# Allegro board RK3588_Template_LP4XD200P232SD8_41R0X41R0_2133MHz_H1R0_V11_20220216.brd (continued)
## Routing (per net, layer and track width the routed paths; a pad name or vN(x,y) marks a point on that pad's centre or on a via; arc(x,y) is an arc through that point) (continued)
  vias: v1(32.13,14.22) v2(36.64,22.93) v2(36.64,22.16) v2(36.64,21.4) v2(36.64,20.64) v2(36.64,19.88) v2(37.4,22.93) v2(37.4,22.16) v2(37.4,21.4) v2(37.4,20.64) v2(38.16,22.93) v2(38.16,22.16) v2(38.16,21.4) v2(38.16,20.64) v2(38.16,19.88)
VDD_CPU_LIT_S0: length 102.1
  TOP w0.152: U2200.37 86.93,101.23 86.28,101.89 86.01,101.89 85.64,102.26 85.32,102.26 85.07,102.51 84.33,102.51
  TOP w0.203: 84.33,102.51 81.91,102.51 81.66,102.77 C2217.2 R2203.1 v1(79.38,103.18)
  TOP w0.254: v1(53.92,53.23) U1000.V21 ; v1(53.92,53.23) U1000.W22 ; v1(53.91,53.23) U1000.V22 ; v1(53.92,53.23) U1000.W21 ; U1000.V21 v1(54.57,52.58) U1000.U21 v1(53.92,51.93) ; U1000.V21 v1(54.56,53.23) U1000.W21 ; U1000.V21 v1(53.92,52.58) ; U1000.W21 v1(53.92,53.88) 53.59,53.55 U1000.W22 ; U1000.W21 54.24,53.55 v1(54.57,53.88) 54.24,54.2 U1000.Y21 v1(53.92,54.53) U1000.Y22 v1(53.27,53.88) U1000.W22 ; v1(53.92,52.58) U1000.U22 ; v1(53.92,52.58) U1000.V22 ; U1000.U22 v1(53.27,52.58) 53.59,52.9 U1000.V22 ; U1000.U22 53.59,52.25 v1(53.92,51.93) ; U1000.U22 v1(53.27,51.93) C1071.1 U1000.T22 v1(53.92,51.93) ; U1000.W22 53.27,53.23 U1000.V22 ; v1(54.57,51.93) U1000.T21 54.24,51.6 v1(53.92,51.93)
  TOP w0.305: v1(54.57,51.93) 54.24,52.25 U1000.U21 v1(53.92,52.58) ; U1000.Y22 53.59,54.2 v1(53.92,53.88) U1000.Y21
  L4-GND2 w0.089: 54.61,54.48 54.61,54.7 54.26,55.05 54.26,55.29 54.03,55.52 53.79,55.52 53.61,55.7 53.61,55.94 53.38,56.17 53.14,56.17 52.96,56.35 52.96,56.58 52.71,56.82 52.49,56.82 52.31,57 52.31,57.17 52.01,57.47 51.84,57.47 51.66,57.65 51.66,57.89 50.78,58.77 50.54,58.77 50.36,58.95 50.36,59.19 50.13,59.42 49.89,59.42 49.71,59.6 49.71,59.84 49.48,60.07 49.24,60.07 49.06,60.25 49.06,60.49 48.83,60.72 48.59,60.72 48.41,60.9 48.41,61.14 48.18,61.37 47.94,61.37 47.76,61.55 47.76,61.79 47.53,62.02 47.29,62.02 47.11,62.2 47.11,62.44 46.88,62.67 46.64,62.67 46.46,62.85 46.46,63.09 46.23,63.32 45.99,63.32 45.81,63.5 45.81,63.86
  L4-GND2 w0.203: v1(79.38,103.18) 79.12,102.93 77.4,102.93 74.55,100.08 61.21,100.08 45.81,84.67 45.81,83.58 45.96,83.43 45.96,81.69 46.35,81.3 46.35,81 45.81,80.46 45.81,63.86
  vias: v2(70.94,111.62) v2(70.94,110.87) v2(70.94,110.22) v2(71.59,111.62) v2(71.59,110.87) v2(71.59,110.22) v2(72.24,111.62) v2(72.24,110.87) v2(72.24,110.22) v2(72.9,111.62) v2(72.9,110.87) v2(72.9,110.22)
VDD_DDR_S0: length 87.8
  TOP w0.203: C2205.2 77.92,96.14 ; C2205.2 R2200.2 ; C2205.2 78.43,96.07 v1(78.49,96.01) 79.7,96.01 79.97,96.28 82.83,96.28 83.08,96.52 85.93,96.52 87,97.59 87,97.88 87.01,97.89 87.01,97.92 87.18,98.08 U2200.46
  TOP w0.254: 59.76,49.97 U1000.N13 59.44,49.65 v1(59.11,49.98) U1000.P13 59.76,49.99 59.76,49.97 ; 59.76,49.97 U1000.P12 v1(60.41,50.63) 60.09,50.95 U1000.R12 v1(60.41,51.28) 60.09,51.6 U1000.T12 v1(60.41,51.93) U1000.U11 ; U1000.L12 v1(60.41,48.03) U1000.L11 v1(61.06,48.03) ; U1000.L12 59.76,48.68 59.44,48.35 U1000.L13 ; U1000.L12 59.83,48.09 59.7,48.09 U1000.L13 ; U1000.L18 v1(56.51,48.68) U1000.L17 ; U1000.L13 v1(59.11,48.03) U1000.L14 ; v1(61.06,52.58) U1000.U11 ; U1000.U11 v1(60.41,52.58)
  L3-POWER1 w0.089: 62.61,54.23 67.36,54.23 67.64,54.51 67.85,54.51 68.05,54.72
  L3-POWER1 w0.203: 68.05,54.72 68.07,54.74 68.65,54.74 68.85,54.94 68.85,55.65 68.96,55.76 68.96,63.37 72.96,67.37 72.96,70.68 77.22,74.93 77.22,78.23 79.63,80.65 79.63,84.45 81.41,86.23 81.41,95.38 80.77,96.01 v1(78.49,96.01)
  BOTTOM w0.254: 60.75,52.25 60.74,52.25 v1(60.41,51.93) 60.42,51.93 C1223.1 60.74,51.6 v1(60.41,51.28) 60.42,51.28 C1231.1 60.74,50.95 v1(60.41,50.63) 60.42,50.63 C1225.1 ; 60.75,52.25 60.75,52.26 v1(61.06,52.58) 61.21,52.73 C1220.1 C1221.1 60.33,52.67 v1(60.41,52.58) 60.42,52.58 60.75,52.25 ; v1(59.11,49.98) 59.36,49.74 C1228.1 ; v1(56.52,48.68) 56.35,48.51 C1224.1 ; 60.41,48.03 60.59,47.85 C1229.1 60.89,47.85 v1(61.06,48.03)
  BOTTOM w0.381: 59.11,48.07 v1(59.11,48.03) ; 59.11,48.07 59.27,47.92 59.84,47.92 C1226.1 60.27,47.88 60.41,48.03 v1(60.41,48.03) ; 59.11,48.07 58.73,48.07 C1227.1
  vias: v2(76.07,99.19) v2(76.07,98.43) v2(76.07,97.77) v2(76.73,99.19) v2(76.73,98.43) v2(76.73,97.77) v2(77.47,99.19) v2(77.47,98.43) v2(77.47,97.77) v2(78.12,99.19) v2(78.12,98.43) v2(78.12,97.77)
VDD_GPU_S0: length 141.3
  TOP w0.203: v1(73.53,95.83) C2206.2 R2201.1 76,95.83 76.5,95.33 79.52,95.33 80.14,95.95 82.97,95.95 83.16,96.14 85.98,96.14 86.87,97.03 U2200.49
  TOP w0.254: v1(59.11,55.18) U1000.AA13 v1(59.76,55.18) ; v1(59.11,55.18) U1000.AB14 ; v1(59.11,55.18) U1000.AB13 ; v1(59.11,55.18) U1000.AA14 58.79,54.85 v1(58.46,55.18) ; v1(59.11,56.48) U1000.AD13 ; v1(59.11,56.48) U1000.AC13 ; v1(59.11,56.48) U1000.AC14 ; v1(59.11,56.48) U1000.AD14 ; U1000.AD13 v1(59.11,57.13) U1000.AD14 ; U1000.AD13 v1(59.76,56.48) U1000.AC13 ; U1000.AD13 v1(59.76,57.13) ; U1000.AC14 v1(59.11,55.83) ; U1000.AC14 v1(58.46,56.48) ; U1000.AC14 v1(58.46,55.83) ; v1(59.11,55.83) U1000.AC13 ; v1(59.11,55.83) U1000.AB13 ; v1(59.11,55.83) U1000.AB14 ; v1(58.46,56.48) U1000.AC15 v1(58.46,55.83) ; v1(58.46,56.48) U1000.AD14 ; v1(58.46,56.48) 58.14,56.8 U1000.AD15 v1(58.46,57.13) 58.79,56.8 U1000.AD14 ; U1000.AB13 59.76,55.82 59.77,55.82 ; U1000.AB13 v1(59.76,55.18) ; v1(59.76,55.18) U1000.AB12 59.77,55.82 ; v1(59.76,55.18) U1000.AA12 ; v1(58.46,55.18) 58.14,55.5 U1000.AB15 v1(58.46,55.83) ; v1(58.46,55.18) U1000.AA15 ; v1(58.46,55.18) U1000.AB14 ; U1000.AB14 58.79,55.5 v1(58.46,55.83) ; U1000.AC13 59.77,55.82
  L4-GND2 w0.089: 58.17,58.17 58.12,58.21 ; 68.05,59.8 68.05,59.78 66.39,58.12 66.17,58.12 65.92,57.88 65.92,57.65 65.74,57.47 65.52,57.47 65.31,57.26 65.31,57.03 65.09,56.82 64.95,56.82 64.62,56.5 64.62,56.35 64.44,56.17 64.3,56.17 63.97,55.85 63.97,55.7 63.79,55.52 63.65,55.52 63.63,55.5 63.25,55.5
  L4-GND2 w0.203: 68.05,59.8 69.6,61.34 69.6,70.23 74.17,74.8 74.17,79.1 82.68,87.6 82.68,93.73 80.01,96.39 74.1,96.39 v1(73.53,95.83)
  L5-POWER2 w0.089: 58.17,57.53 58.04,57.4 57.98,57.4 57.94,57.44 57.88,57.44 57.85,57.47 57.69,57.47 57.51,57.65 57.51,62.46 57.66,62.61 57.66,64
  L5-POWER2 w0.203: 57.66,64 57.66,71.88 58.29,72.52 67.69,72.52 69.64,74.47 69.64,88.57 71.37,90.29 71.37,90.47 71.61,90.71 71.79,90.71 73.53,92.46 v1(73.53,95.83)
  BOTTOM w0.254: 58.46,55.18 v1(58.46,55.18)
  vias: v2(76.19,94.76) v2(76.19,94.11) v2(76.96,94.76) v2(76.96,94.11) v2(77.62,94.76) v2(77.62,94.11) v2(78.27,94.76) v2(78.27,94.11) v2(78.92,94.76) v2(78.92,94.11) v2(79.58,94.76) v2(79.58,94.11) v2(80.23,94.76) v2(80.23,94.11)
VDD_LOG_S0: length 54.7
  TOP w0.152: U2200.56 89.71,95.17 89.67,95.13 89.67,90.55 88.91,89.79 C2228.2
  TOP w0.203: C2228.2 R2206.1 88.84,88.46 87.76,87.38
  TOP w0.254: U1000.AC17 v1(57.16,56.48) U1000.AD17 ; U1000.AC17 v1(56.52,56.48) ; U1000.AC17 56.84,56.15 56.52,55.83 56.19,56.15 U1000.AC18 ; U1000.AC17 v1(57.16,55.83) ; U1000.AC18 v1(55.87,55.83) 55.54,56.15 U1000.AC19 v1(55.87,56.48) ; U1000.AC18 v1(56.52,56.48) ; U1000.AC18 v1(55.87,56.48) ; v1(56.51,56.48) U1000.AD18 ; v1(56.52,56.48) U1000.AD17 ; v1(56.53,53.22) U1000.V17 v1(57.16,53.23) 57.49,52.9 U1000.V16 ; U1000.AD17 v1(57.16,57.13) ; U1000.AD17 v1(56.52,57.13) U1000.AD18 ; U1000.AD18 v1(55.87,56.48) ; U1000.K19 v1(55.22,48.03) U1000.K20 ; U1000.AD19 55.54,56.8 v1(55.87,56.48)
  L4-GND2 w0.089: 58.04,63.86 58.04,62.74 58.16,62.62 58.16,58.99 58.12,58.96 58.12,58.95 57.94,58.77 57.69,58.77 57.65,58.8 57.53,58.8
  L4-GND2 w0.203: 58.04,63.86 58.04,76.84 64.91,83.71 64.91,84.15 65.13,84.36 65.5,84.36 66.31,85.17 66.31,85.69 66.67,86.06 v1(66.67,86.23)
  BOTTOM w0.089: C1037.1 55.24,48 ; 56.84,53.55 C1041.1
  BOTTOM w0.254: v1(56.53,53.22) 56.53,53.24 56.84,53.55 56.84,53.55 v1(57.16,53.23) ; C1040.1 55.66,47.58 v1(55.22,48.03) 55.22,47.4 C1037.1 ; v1(55.87,55.83) 55.87,55.83
  vias: v2(71.75,88.9) v2(71.75,88.14) v2(71.79,90.3) v2(71.79,89.64) v2(72.44,90.3) v2(72.44,89.64) v2(72.45,88.88) v2(72.45,88.12) v2(73.09,90.3) v2(73.09,89.64) v2(73.1,88.88) v2(73.1,88.12) v2(73.75,90.3) v2(73.75,89.64) v2(73.79,88.9) v2(73.79,88.14)
VDD_NPU_S0: length 73.2
  TOP w0.203: v1(69.27,77.74) 69.27,78.18 U2303.A4
  TOP w0.254: U1000.AC22 v1(53.92,56.48) U1000.AD22 ; U1000.AC22 v1(53.27,55.83) ; U1000.AC22 v1(53.27,56.48) ; U1000.AC22 v1(53.91,55.83) ; U1000.AD23 v1(52.62,57.13) U1000.AE23 ; U1000.AD23 52.94,56.8 v1(53.27,57.13) ; U1000.AD23 v1(53.27,56.48) ; U1000.AE22 v1(53.91,57.78) ; U1000.AE22 v1(53.92,57.13) U1000.AD22 ; U1000.AE22 53.59,57.45 v1(53.27,57.13) ; U1000.AE22 v1(53.27,57.78) U1000.AE23 ; v1(53.92,55.83) U1000.AB22 v1(53.27,55.83) ; v1(53.92,55.83) 54.24,55.5 U1000.AB21 ; U1000.AE23 52.94,57.45 v1(53.27,57.13) ; v1(53.27,56.48) C1073.1 U1000.AC23 v1(53.27,55.83) ; v1(53.27,56.48) U1000.AD22 ; v1(53.27,55.83) U1000.AB23 ; v1(53.27,57.13) U1000.AD22
  L5-POWER2 w0.089: 44.99,57.75 45.85,56.9 46.56,56.9 46.64,56.82 46.89,56.82 46.97,56.9 47.21,56.9 47.29,56.82 47.54,56.82 47.62,56.9 47.86,56.9 47.94,56.82 48.19,56.82 48.27,56.9 48.51,56.9 48.59,56.82 48.84,56.82 48.92,56.9 49.16,56.9 49.24,56.82 49.49,56.82 49.57,56.9 49.81,56.9 49.89,56.82 50.14,56.82 50.22,56.9 50.46,56.9 50.54,56.82 50.79,56.82 50.87,56.9 52.32,56.9 52.45,56.77
  L5-POWER2 w0.203: v1(64.52,82.42) 63.88,83.06 55.5,83.06 54.95,83.6 49.95,83.6 42.8,76.45 42.8,59.94 44.99,57.75
  BOTTOM w0.203: v1(69.27,77.74) 68.15,77.74 R2306.2 C2323.2 67.91,79.53 65.03,82.41 64.53,82.41 v1(64.52,82.42)
  BOTTOM w0.508: C2323.1 R2306.1
  vias: v2(65.09,76.14) v2(65.09,75.37) v2(65.09,74.61) v2(65.09,73.85) v2(65.09,73.09) v2(65.85,76.14) v2(65.85,75.37) v2(65.85,74.61) v2(65.85,73.85) v2(65.85,73.09) v2(66.61,76.14) v2(66.61,75.37) v2(66.61,74.61) v2(66.61,73.85)
VDD_VDENC_S0: length 118
  TOP w0.152: U2200.24 91.81,103.86 92.63,104.68 92.63,104.76
  TOP w0.203: v1(92.39,114.81) C2239.2 R2209.2 92.39,112.59 92.58,112.4 93.19,112.4 93.57,112.01 93.57,109.19 93.09,108.71 92.74,108.71 92.63,108.6 92.63,104.76
  TOP w0.254: U1000.W14 58.79,53.55 58.46,53.23 U1000.V14 ; U1000.W14 v1(59.11,53.23) ; U1000.W14 58.79,53.55 v1(59.11,53.88) U1000.W13 ; v1(59.11,53.23) 59.44,53.55 U1000.W13 ; v1(59.11,53.23) U1000.V13 ; v1(59.11,53.23) U1000.V14 ; v1(59.11,52.58) 59.44,52.9 U1000.V13 ; v1(59.11,52.58) U1000.V14 ; v1(59.11,52.58) U1000.U14 58.79,52.25 v1(59.11,51.93) U1000.T14 58.79,51.6 v1(59.11,51.28) U1000.R14 58.79,50.95 v1(59.11,50.63) ; v1(59.76,53.23) U1000.V12 ; v1(59.76,53.23) U1000.W13 ; v1(59.76,53.23) U1000.V13
  L4-GND2 w0.089: 73.15,54.61 73.15,53.1 72.25,52.2 67.56,52.2 67.44,52.32 65.15,52.32 65.09,52.27 63.54,52.27 61.59,52.27 61.53,52.32 61.34,52.32
  L4-GND2 w0.203: 73.15,54.61 73.15,56.01 77.23,60.09 77.37,60.09 77.58,60.3 77.58,60.44 79.25,62.1 79.25,62.8 79.28,62.84 79.28,63.14 79.25,63.18 79.25,71.88 92.24,84.88 92.24,86.39 92.84,86.98 92.84,90.72 92.66,90.9 92.66,93.71 92.93,93.99 92.93,95.28 92.2,96.01 88.65,96.01 88.14,96.52 88.14,102.15 88.3,102.32 88.3,103.31 88.06,103.56 88.06,112.74 90.12,114.81 v1(92.39,114.81)
  BOTTOM w0.089: 59.57,53.59 59.57,53.43 v1(59.76,53.23)
  BOTTOM w0.254: 59.12,51.93 v1(59.11,51.93) 58.79,52.25 C1048.1 v1(59.11,52.58) ; 59.12,51.93 C1052.1 59.44,51.6 v1(59.11,51.28) 59.12,51.28 C1050.1 59.44,50.95 v1(59.11,50.63) ; 59.12,51.93 59.45,52.25 C1049.1 v1(59.11,52.58) ; v1(59.11,52.58) v1(59.11,53.23) v1(59.11,53.88)
  vias: v2(93.26,116.35) v2(93.26,115.59) v2(93.26,114.94) v2(93.92,116.35) v2(93.92,115.59) v2(93.92,114.94) v2(94.58,116.35) v2(94.58,115.59) v2(94.58,114.94)
VDDA_0V75_S0: length 14.5
  TOP w0.203: C2267.1 97.23,101.12 96.34,100.23 95.69,100.23 95.29,99.83 U2200.11
  TOP w0.254: 62.36,55.17 U1000.AA9 61.71,55.18 61.72,55.18 62.04,55.49 ; 62.36,55.17 v1(62.36,55.17) ; 62.36,55.17 62.36,55.17 62.04,55.49 ; U1000.AD9 v1(62.36,57.13) U1000.AE8 ; U1000.AD9 62.01,56.8 61.72,56.52 61.72,56.47 U1000.AC9 ; U1000.AD9 62.04,56.8 v1(62.36,56.47) 62.04,56.15 U1000.AC9 ; U1000.AC9 61.72,55.83 U1000.AB9 ; U1000.AC9 62.36,55.83 62.36,55.82 ; U1000.AB9 62.04,55.49 ; U1000.AB9 62.36,55.82 ; v1(62.36,55.82) 62.36,55.82 ; U1000.AH10 v1(61.06,59.73)
  TOP w0.381: C2267.1 97.34,101.36 97.72,101.74 99.68,101.74 v2(99.69,101.73)
  TOP w0.508: v2(99.69,101.73) v2(100.35,101.73)
  BOTTOM w0.254: C1738.1 62.37,57.13 v1(62.36,57.13) ; C1408.1 61.28,59.94 v1(61.06,59.73)
  vias: v1(94.62,68.45) v1(95.12,68.83)
VDDA_0V85_S0: length 21.7
  TOP w0.089: 59.44,60.05 U1000.AJ13 ; 58.79,60.05 U1000.AJ14
  TOP w0.203: C2269.1 97.03,99.89 95.8,99.89 95.4,99.5 94.63,99.5 U2200.10
  TOP w0.254: C2269.1 97.59,100.46 99.1,100.46 ; v1(50.02,47.38) U1000.K28 49.69,48.35 U1000.L28 v1(50.01,48.68) U1000.M28 ; v1(59.11,59.73) U1000.AH13 v1(59.76,59.73) 59.44,60.05 v1(59.11,59.73) ; v1(59.11,59.73) 58.79,60.05 v1(58.46,59.73) U1000.AH14 v1(59.11,59.73) ; 36.63,40.32 36.58,40.37 v1(36.07,40.37) v1(34.8,40.37) 34.16,40.37
  TOP w0.381: 99.1,100.46 v2(102.36,100.46) v2(103.12,100.46)
  L3-POWER1 w0.104: v2(102.36,100.46) v2(103.12,100.46)
  L3-POWER1 w0.381: v1(50.02,48.68) v1(50.02,47.38)
  L6-S2 w0.762: v2(102.36,100.46) v2(103.12,100.46)
  BOTTOM w0.254: C1806.1 50.02,47.37 v1(50.02,47.38) 49.94,47.38 49.62,47.7 C1810.1 ; C1818.1 50.02,48.56 v1(50.02,48.68)
  vias: v1(37.72,25.65) v1(37.72,25.02) v1(38.35,25.65) v1(38.35,25.02) v1(69.85,91.19) v1(70.48,91.19)
VDDA_1V2_S0: length 33.7
  TOP w0.152: 90.07,94.25 89.99,94.32 89.99,95.16 90.06,95.23 U2200.57
  TOP w0.254: U1000.AH20 v1(55.22,59.73) U1000.AH19
  TOP w0.381: 90.07,94.25 90.07,92.29 90.06,92.29 90.06,90.39 90.04,90.37 90.04,89.73 C2255.1
  TOP w0.508: 90.04,87 90.7,87.66 90.7,89.48 90.5,89.68 C2255.1
  L3-POWER1 w0.254: v1(55.22,59.73) 55.22,59.8
  L3-POWER1 w0.762: v1(53.85,81.28) v1(53.85,80.65) 53.21,80.65 52.45,79.88 52.45,79.82 52.32,79.69 52.32,77.24 52.8,76.76 55.45,76.76 56.3,75.91 56.3,64.3 56.13,64.14
  L6-S2 w0.381: v1(53.85,81.28) v1(53.85,80.65)
  BOTTOM w0.254: C1611.1 55.34,59.73 v1(55.22,59.73) 55.19,59.73 55.17,59.75 55.08,59.75 54.78,60.05 C1603.1
  vias: v2(89.36,84.45) v2(90.04,84.47)
VDDA_DDR_PLL_S0: length 135.1
  TOP w0.203: U2200.12 95.21,100.18 95.56,100.53 96.21,100.53 96.8,101.11 96.8,101.79 C2264.1
  TOP w0.254: U1000.L15 58.14,48.35 v1(57.81,48.03) ; U1000.N12 v1(59.76,49.33)
  TOP w0.381: v2(99.57,103) 99.51,102.94 97.69,102.94 97.34,102.59 C2264.1
  TOP w0.508: v2(99.57,103) v2(100.33,103)
  L4-GND2 w0.089: 58.67,47.12 58.67,47.15 58.77,47.25 58.77,47.51 58.67,47.61 58.67,47.75 ; 59.44,44.7 59.44,44.96 59.28,45.12 59.09,45.12 ; 58.84,48.99 59.4,48.99
  L4-GND2 w0.762: v2(99.57,103) v2(100.33,103) 100.46,103 102.3,101.15 103.41,101.15 105.28,99.28 105.28,90.81 104.27,89.79 104.27,69.85 98.81,64.39 98.81,55.12 88.27,44.58 88.27,25.02 85.34,22.1 54.36,22.1
  BOTTOM w0.254: v1(57.81,48.03) 57.45,48.4 C1218.1 ; C1215.1 59.76,49.38 v1(59.76,49.33)
VDDQ_DDR: length 51.5
  TOP w0.254: v1(83.08,53.09) 83.06,53.09 U3800.F10 ; U3800.AA8 v1(80.78,43.3) ; v1(67.8,25.95) 67.8,25.98 U3801.B10 ; U3800.B8 81.06,56 80.83,56.24 v1(80.8,56.24) ; U3801.U10 57.67,26.3 v1(57.4,26.04) ; U3800.AA3 76.74,43.25 v1(76.74,43.23) ; v1(78.42,44.63) U3800.W5 78.87,45.09 80.46,45.09 v1(80.64,44.9) 80.7,44.95 U3800.W8 ; U3800.AA10 v1(82.39,43.31) ; U3801.D8 v1(66.45,27.63) ; U3801.W12 v1(56.05,24.43) ; U3800.AA5 v1(79.15,43.65) ; v1(82.42,56.3) 82.44,56.3 U3800.B10 ; U3801.W5 v1(56,30.73) ; U3801.AA10 v1(54.72,26) ; U3800.D1 v1(75.19,55.05) ; v1(54.66,31.57) 54.69,31.57 U3801.AA3 ; U3801.B5 v1(67.75,30.68) ; U3801.D12 v1(66.45,24.43) ; U3801.AA5 v1(55.48,29.95) ; U3801.B8 v1(67.75,27.63) ; v1(76.78,53.04) U3800.F3 ; U3800.W1 v1(75.21,44.63) ; v1(83.04,46.55) U3800.U10 ; U3800.W12 v1(84.66,44.63) ; U3801.B3 v1(67.71,32.25) ; U3801.D1 66.12,33.86 v1(66.42,34.16) ; v1(65.15,31.62) U3801.F3 ; U3801.AA8 v1(55.41,28.29) ; U3801.D5 v1(66.45,30.68) ; v1(56.01,33.91) U3801.W1 ; U3801.U3 57.67,31.98 v1(57.38,32.26) ; U3800.D5 v1(79.06,54.38) ; U3800.B3 v1(76.8,56.35) ; v1(76.78,45.92) 76.81,45.92 U3800.U3 ; U3801.F10 v1(64.51,26.04) ; U3801.W8 v1(56.07,28.26) ; U3800.D8 v1(81.53,55.1) ; U3800.D12 84.65,54.4 v1(84.7,54.4) ; U3800.B5 v1(79.12,55.62)
  BOTTOM w0.254: v1(83.04,46.55) 83.35,46.87 C3838.1 ; v1(75.19,55.05) 75.31,54.93 C3834.1 ; v1(76.8,56.35) 76.8,56.73 C3835.1 ; v1(54.72,26) 54.75,25.98 54.75,25.53 C3870.1 ; v1(56.05,24.43) 55.9,24.28 55.9,24.05 C3876.1 ; v1(66.45,24.43) 66.13,24.43 66.04,24.51 ; R3818.1 C3872.1 67.51,30.44 v1(67.75,30.68) ; v1(75.21,44.63) 74.97,44.87 74.97,44.91 C3839.1 ; C3827.1 82.83,55.89 v1(82.42,56.3) ; v1(67.8,25.95) 67.8,26 67.73,26.07 C3875.1 ; C3881.1 57.45,26.08 v1(57.4,26.04) ; C3884.1 65.28,31.75 v1(65.15,31.62) ; v1(80.78,43.3) 80.89,43.4 C3840.1 ; C3837.1 84.66,54.36 v1(84.7,54.4) ; v1(76.78,45.92) 76.78,45.9 76.58,45.69 76.55,45.69 C3833.1 ; C3880.1 56.26,30.45 56,30.71 v1(56,30.73) ; v1(79.12,55.62) 79.37,55.88 C3842.1 ; R3819.1 67.93,27.81 v1(67.75,27.63) 67.24,28.13 C3869.1 ; C3885.1 54.89,30.2 55.22,30.2 v1(55.48,29.95) 56.2,29.22 C3871.1 56.2,28.39 v1(56.07,28.26) 56.39,27.94 C3879.1 ; C3836.1 81.13,44.95 80.69,44.95 v1(80.64,44.9) ; v1(64.51,26.04) 64.66,25.89 C3874.1 ; v1(66.45,27.63) 65.97,27.63 C3887.1 ; C3878.1 67.71,32.66 v1(67.71,32.25) ; v1(78.42,44.63) 78.35,44.56 C3828.1 78.78,44.02 v1(79.15,43.65) 79.3,43.5 C3825.1 ; v1(54.66,31.57) 54.74,31.65 C3873.1 ; C3841.1 81.56,55.47 81.56,55.12 v1(81.53,55.1) ; C3877.1 55.51,27.69 55.51,28.18 v1(55.41,28.29) ; C3829.1 78.92,54.23 v1(79.06,54.38) 79.15,54.29 C3824.1 ; v1(76.74,43.23) 76.66,43.3 C3831.1 ; v1(84.66,44.63) 83.92,43.88 C3826.1 ; C3886.1 55.66,33.91 v1(56.01,33.91) ; C3882.1 66.82,34.16 v1(66.42,34.16) ; C3832.1 81.79,43.91 v1(82.39,43.31)
  BOTTOM w0.305: R3809.1 R3810.1 80.52,56.52 v1(80.8,56.24) 80.44,55.88 C3830.1 C3842.1
  vias: v1(83.69,34.04) v1(83.69,33.4) v1(84.33,34.04) v1(84.33,33.4) v1(84.96,34.04) v1(84.96,33.4) v1(85.6,34.04) v1(85.6,33.4)
VDDQ_DDR_CK_S0: length 11.2
  TOP w0.254: U1000.M13 v1(59.11,49.33) ; U1000.L10 v1(61.71,48.03)
  L4-GND2 w0.089: 60.72,49.02 60.93,49.02 60.94,49.02 61.19,49.02 61.2,49.02 61.37,49.02 ; 60.72,49.02 60.55,49.02 60.54,49.02 60.29,49.02 60.28,49.02 60.11,49.02 ; 60.72,49.02 60.72,49.61 60.71,49.62 60.72,49.64 61.19,49.64 61.37,49.46 61.37,49.02 ; 60.72,49.02 60.72,48.46 60.81,48.37 ; 60.81,48.37 60.29,48.37 60.11,48.55 60.11,49.02 ; 60.81,48.37 61.19,48.37 61.21,48.39 61.34,48.39 61.34,48.52 61.37,48.55 61.37,49.02 ; 60.11,49.02 60.11,49.75 60.07,49.78
  L4-GND2 w0.254: 61.34,48.39 61.7,48.03 v1(61.71,48.03) ; 60.71,49.62 60.55,49.78 59.57,49.78 v1(59.11,49.33)
  BOTTOM w0.254: C1213.1 58.84,49.6 v1(59.11,49.33) ; v1(61.71,48.03) 62.04,48.35 C1206.1
  vias: v1(79.76,37.59) v1(80.31,37.59)
VDDQ_DDR_CKE_S3: length 13.2
  TOP w0.254: U1000.N8 v1(63.01,49.33) ; U1000.H13 v1(59.11,46.08)
  L6-S2 w0.089: 60.78,47.69 60.14,47.69 60.07,47.62 60.07,47.12 ; 60.78,47.69 60.76,47.71 60.76,47.12 ; 60.78,47.69 61.29,47.69 61.36,47.75 61.37,47.75 ; 60.07,47.12 60.07,46.6 60.07,46.6 60.07,46.48 60.13,46.42 60.74,46.42 ; 60.07,47.12 60.12,47.07 60.71,47.07 ; 61.37,47.12 61.33,47.07 60.71,47.07 ; 61.37,47.12 61.37,46.6 61.19,46.42 60.74,46.42 ; 61.37,47.12 61.37,47.75 ; 60.71,47.07 60.76,47.12 ; 60.76,47.12 60.76,46.43 60.74,46.42 ; 61.37,47.75 61.37,48.35 61.34,48.39 61.21,48.39 61.19,48.37 ; 59.46,47.1 59.46,46.42
  L6-S2 w0.254: 61.34,48.39 62.28,49.33 v1(63.01,49.33)
  BOTTOM w0.254: C1216.1 62.67,49.04 62.73,49.04 v1(63.01,49.33) ; v1(59.11,46.08) 58.93,45.9 C1219.1
  vias: v1(81.25,37.59) v1(81.83,37.59)
VDDQ_DDR_S0: length 36
  TOP w0.102: 93.73,92.08 93.73,95 93.56,95.16 U2200.67
  TOP w0.203: 93.73,92.08 93.73,91.65 94.01,91.36 98.42,91.36 98.62,91.16 C2233.1 R2207.1
  TOP w0.254: v1(61.06,47.38) 60.74,47.7 U1000.K11 v1(60.41,47.38) 60.09,47.7 U1000.K12 v1(59.76,47.38) 59.44,47.7 U1000.K13 v1(59.11,47.38) 58.79,47.7 U1000.K14 v1(58.46,47.38) 58.14,47.7 U1000.K15 ; U1000.M10 v1(61.71,49.33) U1000.N10 61.39,49.65 v1(61.71,49.98) U1000.P10 61.39,50.3 v1(61.71,50.63) U1000.R10 61.39,50.95 v1(61.71,51.28) U1000.T10 61.39,51.6 v1(61.71,51.93)
  L4-GND2 w0.203: v1(91.82,57.26) v1(91.11,57.26)
  BOTTOM w0.089: v1(59.76,47.38) 59.76,47.37 ; C1203.1 57.68,47.05 57.49,46.86 57.49,46.59 57.3,46.4 56.94,46.4 56.39,45.85 56.39,45.59 ; v1(59.11,47.38) 59.11,47.37 ; v1(60.41,47.38) 60.41,47.37 ; v1(58.46,47.38) 58.46,47.37
  BOTTOM w0.254: 61.71,49.33 C1210.1 61.72,49.98 v1(61.71,49.98) 62.04,50.3 C1211.1 61.71,50.63 ; C1212.1 61.45,49.06 v1(61.71,49.33) ; 61.71,51.28 C1202.1 62.04,50.95 v1(61.71,50.63) ; 61.5,47.46 61.15,47.46 v1(61.06,47.38) 60.74,47.05 C1201.1 60.41,47.37 60.41,47.37 C1208.1 59.76,47.37 59.76,47.37 C1205.1 59.11,47.37 59.11,47.37 C1204.1 58.46,47.37 58.46,47.37 ; 61.5,47.46 61.72,47.24 ; 61.5,47.46 C1207.1 61.72,47.33 62.06,46.99 62.16,46.99 R1202.2 R1201.2 ; v1(58.46,47.38) 58.15,47.06 C1203.1 ; v1(61.71,51.28) 62.04,51.6 C1209.1 v1(61.71,51.93) 61.92,52.13 61.95,52.13 C1200.1 62.27,52.79 62.11,52.96 R1200.2
  BOTTOM w0.381: v1(61.71,51.28) 61.71,51.28 ; v1(61.71,49.33) 61.71,49.33 ; v1(61.71,50.63) 61.71,50.63
  vias: v1(80.39,33.66) v1(80.39,33.02) v1(81.03,33.66) v1(81.03,33.02) v1(81.66,33.66) v1(81.66,33.02) v1(82.3,33.66) v1(82.3,33.02) v1(91.11,56.63) v1(91.11,55.99) v1(91.82,56.63) v1(91.82,55.99) v1(92.44,57.26) v1(92.44,56.63) v1(92.44,55.99) v2(99.33,91.44) v2(99.33,90.79) v2(99.33,90.13) v2(99.33,89.48) v2(100.08,91.44) v2(100.08,90.79) v2(100.08,90.13) v2(100.08,89.48) v2(100.73,91.44) v2(100.73,90.79) v2(100.73,90.13) v2(100.73,89.48)
32KOUT_WIFI: length 21.1
  TOP w0.089: 29.08,59.44 v1(29.59,59.44) ; U1000.AE30 v1(48.07,57.78)
  L6-S2 w0.089: v1(48.07,57.78) 47.76,58.09 45.81,58.09 45.03,58.86
  L6-S2 w0.104: 45.03,58.86 43.44,60.45 30.39,60.45 29.59,59.65 v1(29.59,59.44)
BIG/NPU_EN: length 7
  TOP w0.104: U2303.A2 70.08,77.19 69.34,76.45 v1(69.09,76.45) ; v1(41.66,13.34) 41.73,13.4 R2302.2 R2303.1 44.14,13.4 44.17,13.44 44.72,13.44 44.9,13.26 U2300.A2 ; v1(34.14,12.95) 34.52,13.33 34.95,13.33 35.15,13.14 U2301.A2
BOOT_SARADC_IN0: length 29.4
  TOP w0.089: v1(57.81,62.33) U1000.AM16
  L3-POWER1 w0.089: 57.81,63.86 v1(57.81,62.33)
  L3-POWER1 w0.104: 57.81,63.86 57.81,78.83 59.59,80.61 59.65,80.61 62.54,83.5 64.57,83.5 64.75,83.68 65.41,83.68 65.42,83.69 66.8,83.69 67.22,84.11 67.22,84.45 67.61,84.84
BT_REG_ON_H: length 32.6
  TOP w0.089: U1000.AH27 v1(50.02,59.73)
  L3-POWER1 w0.089: 47.01,63.86 47.11,63.76 47.11,63.5 47.29,63.32 47.55,63.32 47.76,63.12 47.76,61.55 47.97,61.34 48.19,61.34 48.39,61.14 48.39,60.83 49.49,59.73 v1(50.02,59.73)
  L3-POWER1 w0.104: 35.02,85.09 37.93,82.18 37.93,80.18 38.2,79.91 46.1,72.01 46.1,64.76 47.01,63.86
BT_WAKE_HOST_H: length 29.2
  TOP w0.089: v1(48.72,49.98) 48.39,50.3 U1000.P30
  L3-POWER1 w0.089: 44.99,50.67 45.34,50.32 48.37,50.32 v1(48.72,49.98)
  L3-POWER1 w0.104: 44.99,50.67 44.71,50.95 41.26,50.95 39.81,52.39 39.47,52.39 39.16,52.71 32.96,52.71 32.95,52.72 32.69,52.72 32.67,52.71 32.26,52.71 30.99,51.44 30.99,49.73 v1(30.91,49.66)
  L6-S2 w0.104: v1(30.91,49.66) 30.91,49.58 30.61,49.28 30.23,49.28 28.83,47.88 25.53,47.88 24.84,48.57 24.84,48.71 v1(25.02,48.9)
CC_INT_L: length 36.2
  TOP w0.089: U1000.AC29 v1(48.72,56.48)
  L3-POWER1 w0.089: 45.03,59.72 46.64,58.12 46.86,58.12 47.07,57.91 47.07,57.68 47.32,57.44 47.54,57.44 47.76,57.23 47.76,57 47.94,56.82 48.38,56.82 v1(48.72,56.48)
  L3-POWER1 w0.104: 45.03,59.72 42.23,62.53 42.23,73.47 36.32,79.38 36.32,81.51 32.74,85.09
CPU_BIG0_VSEL: length 25.1
  TOP w0.089: v1(47.41,51.28) 47.74,50.95 U1000.R31
  TOP w0.104: v1(44.45,13.06) 44.7,13.06 44.9,12.86 U2300.A1
  L6-S2 w0.089: v1(47.41,51.28) 47.11,50.97 46.64,50.97 46.42,51.18 46.42,51.41 46.24,51.59 44.99,51.59
  L6-S2 w0.104: 44.99,51.59 43.19,51.59 42.96,51.82 38.12,51.82 37.66,51.35 30.3,51.35 30.23,51.29 30.23,51.29 28.64,49.69 28.64,49.69 28.41,49.47 28.41,49.47 28.09,49.15 26.67,49.15 25.91,49.91 v1(25.4,49.91)
CPU_BIG1_VSEL: length 24.8
  TOP w0.089: U1000.W28 49.69,53.55 v1(49.37,53.23)
  TOP w0.104: v1(34.8,12.95) 34.92,12.95 35.14,12.74 U2301.A1
  L6-S2 w0.089: v1(49.37,53.23) 49.04,52.9 49.04,52.71 49.04,52.47 49.04,52.47 49.04,52.44 48.85,52.25 48.82,52.25 48.81,52.24 48.47,52.24 47.94,52.24 47.76,52.06 47.76,51.83 47.54,51.61 46.69,51.61 46.68,51.62 46.64,51.62 46.46,51.8 46.46,51.84 46.42,51.87 46.42,52.06 46.03,52.45 44.99,52.45
  L6-S2 w0.104: v1(28.26,49.85) 29.99,51.58 37.56,51.58 38.05,52.07 43.04,52.07 43.42,52.45 44.99,52.45
DDR_CH0_A0_A: length 21.4
  TOP w0.127: v1(76.69,51.83) 76.69,51.84 76.56,51.97 76.48,51.97 U3800.H2 ; U1000.T7 v1(63.66,51.28)
  BOTTOM w0.089: 66.6,50.98 66.57,50.95 63.99,50.95 v1(63.66,51.28)
  BOTTOM w0.127: v1(76.69,51.83) 76.51,52.01 73.88,52.01 73.41,51.54 72.42,51.54 72.26,51.69 72.26,52.32 73.28,53.34 73.28,54.1 73.03,54.36 72.47,54.36 72.36,54.24 72.36,53.71 72.25,53.59 72.09,53.59 71.98,53.71 71.98,54.24 71.87,54.36 71.5,54.36 70.23,53.09 69.6,53.09 69.09,52.58 67.56,52.58 67.18,52.2 67.18,51.56 66.6,50.98
